# KiCad board V1.1_version_control.kicad_pcb (continued)
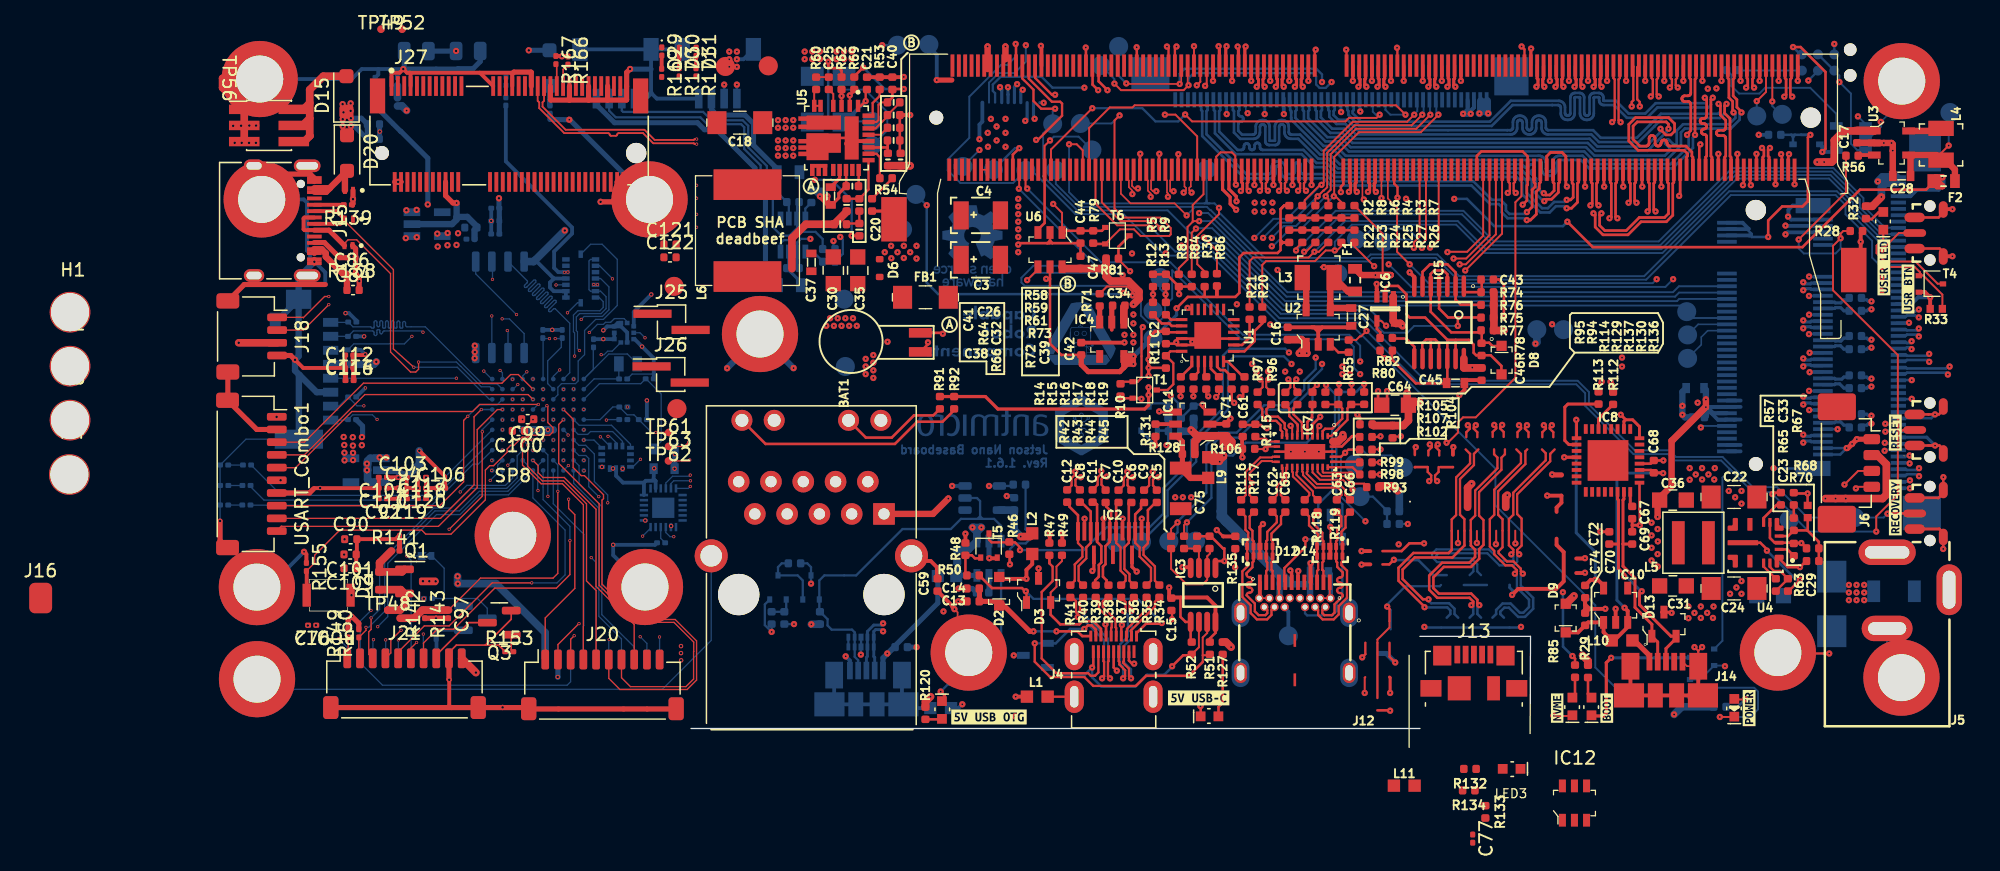
[diagram p0: board, top side]
## Routing (per net, layer and track width the routed paths; a pad name or vN(x,y) marks a point on that pad's centre or on a via; arc(x,y) is an arc through that point) (continued)
Net-(IC3-SDAA): length 2.6
  Top w0.15: 39.96,14.13 39.96,15.52 39.81,15.67 38.79,15.67
Net-(IC4-EN): length 1.3
  Top w0.406: R71.1 32.15,33.49
Net-(IC5-1B): length 8.6
  Top w0.2: IC5.6 57.55,37.45 58.14,38.04 59.51,38.04 60.15,37.4 IC5.2 60.15,35.27 60.56,34.85 62.2,34.85
Net-(IC5-3A): length 5.5
  Top w0.2: IC5.11 58.85,31.82 58.54,32.12 58.19,32.12 ; IC5.9 57.53,30.64 57.53,31.82 57.83,32.12 58.19,32.12 ; IC5.10 58.2,32.11 58.19,32.12
Net-(IC5-~{3Y}): length 2.9
  Top w0.2: IC5.8 56.9,31.56 56.26,32.2 55.16,32.2
Net-(IC7-CURRENT_MODE): length 8.3
  Top w0.15: 55.27,24.47 55.82,24.47 v1(55.84,24.5) ; v1(49.43,25.3) 49.29,25.17 IC7.3
  In2.Cu w0.18: v1(55.84,24.5) 54.92,25.42 49.54,25.42 v1(49.43,25.3) 49.44,25.3
Net-(IC7-DIR): length 1.7
  Top w0.15: IC7.11 45.45,24.09 45.23,24.31 44.56,24.31 44.47,24.39
Net-(IC7-ENn_CC): length 2.5
  Top w0.2: 52.61,24.51 52.01,24.51 51.73,24.23 51.73,24.23 51.2,23.7 50.5,23.7 IC7.29
Net-(IC7-PORT): length 5.7
  Top w0.2: v1(52.43,26.19) 52.63,25.99 52.63,25.3 ; v1(49.5,26.04) 48.89,25.44 IC7.4
  In2.Cu w0.2: 52.36,26.12 v1(52.43,26.19) ; 52.34,26.11 49.56,26.11 v1(49.5,26.04)
Net-(IC7-VBUS_DET): length 2.7
  Top w0.2: IC7.5 48.49,25.63 48.86,25.99 48.86,26.97 48.89,27.01
Net-(IC8-3V3OUT): length 1.2
  Top w0.23: 73.89,20.12 73.89,19.13 C67.2
Net-(IC8-RXD): length 6.4
  Top w0.23: IC8.2 69.06,23.85 68.74,24.17 68.74,26.8 68.98,27.04 R113.1
Net-(IC8-TXD): length 2.4
  Top w0.23: IC8.30 71.39,25.86 R112.1
Net-(IC9-ILIM): length 1.4
  Bottom w0.4: R124.1 23.44,12.21 IC9.5
Net-(IC9-OUT): length 2.8
  Bottom w0.4: IC9.6 20.92,13.55 L7.1 20.94,13.57 R122.2
Net-(IC11-ILIM): length 1.6
  Top w0.3: R131.1 38.12,25.46
Net-(IC11-OUT): length 5.2
  Top w0.4: C75.2 38.66,22.13 R128.2 38.66,24.08 38.2,24.54
  Top w0.5: L9.1 39.29,21.22 38.61,21.91
Net-(IC11-~{EN}): length 5.9
  Top w0.18: v1(40.24,27) 40.24,26.78 40.58,26.44
  Bottom w0.18: v1(40.24,27) 39.63,27 R126.2 37.57,26.88 R123.2 37.46,26.88 37.24,27.1 36.29,27.1 T9.3
Net-(IC11-~{FAULT}): length 27.8
  Top w0.2: 40.1,2.4 40.1,3.08 40.08,3.11 v1(40.08,3.24) ; IC11.4 36.88,26.41 v1(36.83,26.46)
  In2.Cu w0.2: v1(36.83,26.46) 36.83,25.91 38.78,23.95 38.78,21.61 37.44,20.27 37.44,14.06 40.08,11.42 v1(40.08,3.24)
Net-(J4-+5V): length 10.9
  Top w0.2: J4.19 30.77,8.76 30.4,9.14 v1(28.75,9.14)
  Top w0.4: 22.69,11.5 22.69,12.51 ; v1(26.94,9.14) 26.64,9.14 24.29,11.5 C13.2
  Bottom w0.2: v1(28.75,9.14) v1(26.94,9.14)
Net-(J4-GND): length 16
  Top w0.15: 28.19,14.49 28.19,15.13
  Top w0.18: 28.19,14.49 28.45,14.24 28.45,13.1 27.59,12.24 27.59,7 28.74,5.85 31.24,5.85 31.44,5.65 31.79,5.65 32.05,5.9 J4.16
  Top w0.2: 28.19,14.49 R47.2
Net-(J7-LED): length 35.8
  Top w0.15: v1(67.84,2.5) 67.86,2.48 68.94,2.48
  In3_SIGNAL.Cu w0.15: v1(79.44,25.2) 71.34,25.2 69.74,23.6 69.74,13 70.19,12.55 70.19,10.75 68.04,8.6 68.04,2.7 v1(67.84,2.5)
  Bottom w0.15: v1(79.44,25.2) 79.56,25.31 J7.10
Net-(J7-SMB_CLK): length 4.4
  Bottom w0.125: J7.40 79.98,32.81 79.48,32.31 79.48,31.71 TP43.1
Net-(J7-SMB_DATA): length 3.4
  Bottom w0.125: TP42.1 79.23,33.31 J7.42
Net-(J10-Pad12): length 8.7
  Top w0.2: J10.12 13.76,24.4 15.79,24.4 17.54,26.15 19.07,26.15 R91.1
Net-(J10-Pad14): length 18.7
  Top w0.2: R92.2 20.7,26.55 19.79,25.65 17.79,25.65 16.04,23.9 5.87,23.9 J10.14
Net-(J11-SHIELD): length 13.4
  Bottom w0.3: J11.S J11.S J11.S J11.S 11.26,3.76 J11.S ; J11.S 16.59,3.51 J11.S ; J11.S 17.01,3.1 L8.2 ; J11.S 17.09,3.01
Net-(J12-SBU2): length 2.3
  Bottom w0.3: 46.69,10.99 46.99,10.69 TP47.1
Net-(J13-Shield): length 15.6
  Top w0.15: 54,8.24 54,8.49 54.95,9.44 54.95,9.94
  Top w0.18: v1(54.77,11.09) 54.95,10.91 54.95,9.94 ; 54,8.24 54,3.89
  Top w0.2: v1(55,2.89) 54.97,2.92 54,2.92
  Bottom w0.18: 59,12.79 58.91,12.7 56.21,12.7 54.77,11.26 v1(54.77,11.09) 55.04,10.81 55.04,9.3
Net-(J15-CC1): length 2.3
  Top w0.3: R139.2 -27.32,42.73 J15.A5
Net-(J15-CC2): length 3.1
  Top w0.4: R138.2 -27.65,38.57 -28.84,39.76 -29.63,39.76
Net-(LED1-A): length 1.3
  Top w0.2: LED1.1 19.71,2.21 R120.1
Net-(LED2-A): length 5
  Top w0.2: 41.5,2.4 41.5,3.19 41.83,3.52 41.83,7.26
Net-(M1B-CAM1_PWDN): length 9.3
  Top w0.15: v1(56.87,39.34) 56.87,39.77 57.32,40.22 M1.120
  Bottom w0.15: TP4.1 54.71,40 56.64,40 56.87,39.77 v1(56.87,39.34)
Net-(M1B-GPIO01): length 12.6
  Top w0.15: v1(57.5,39.34) 57.5,39.67 57.82,39.98 M1.118
  Bottom w0.15: v1(57.5,39.34) 57.5,39.74 56.39,40.86 53.59,40.86 52.53,39.79
Net-(M1C-UART0_TXD):
  vias: v1(3.01,54.79) v1(3.01,54.19) v1(3.01,53.59) v1(3.61,54.79) v1(3.61,53.59)
Net-(NVME1-A): length 1.7
  Top w0.2: R85.1 69.55,4.13 NVME1.1
Net-(PWR1-A): length 2.6
  Top w0.15: 82.07,3.77 82.92,3.77 v1(82.94,3.8)
  Bottom w0.2: v1(82.94,3.8) 82.34,3.2 81.43,3.2
Net-(PWR1-K): length 9.4
  Top w0.15: 82.07,2.37 82.05,2.4 v1(80.94,2.4)
  Top w0.25: 82.04,2.4 82.07,2.37
  Bottom w0.15: T3.3 83.64,4.7 83.94,4.4 83.94,3 83.34,2.4 v1(80.94,2.4)
Net-(Q2-B): length 2.2
  Bottom w0.1: R148.1 -17.95,9.18
  Bottom w0.125: -17.95,9.18 Q2.1
Net-(Q2-C): length 9.2
  Bottom w0.1: -19.42,11.73 -19.42,14.11 U23.1 ; -19.42,11.73 R151.2 ; -19.42,11.73 -16.8,11.73 -16.03,10.96 Q2.3
Net-(Q3-B): length 1.5
  Top w0.125: R153.2 -14.14,7.7 Q3.1
  Bottom w0.1: R152.1 -4.95,25.76
Net-(R2-Pad1): length 5.1
  Top w0.2: 52.19,41.7 47.06,41.7
Net-(R22-Pad1): length 5.1
  Top w0.2: 52.19,40.73 47.06,40.73
Net-(T1-D): length 5.4
  Top w0.18: U1.24 37.71,31.19 R11.2 37.94,30.26 37.94,28.6 37.49,28.15 T1.3
Net-(T4-D): length 8.3
  Top w0.15: 93.8,40.72 93.8,40.05 93.27,39.51 93.27,38.92 93.93,38.26 96.33,38.26 98.07,36.52 98.58,36.52
Net-(T5-G): length 2.9
  Top w0.15: R48.1 21.59,15.13
  Top w0.2: 21.59,15.13 22.1,15.13 22.33,14.89 22.77,14.89 ; R48.1 21.59,13.67 R50.2
Net-(T7-S): length 5.2
  Bottom w0.18: R103.1 7.14,14.5 6.84,14.2 T8.3 8.39,13.55 8.79,13.15 T7.2
Net-(T8-G): length 2
  Bottom w0.18: R109.1 R110.2 7.49,10.83 T8.1
Net-(TP1-CTS/TMS): length 5
  Bottom w0.15: 82.45,53.33 82.47,53.31 87.38,53.31 TP1.2
Net-(TP2-P): length 4.3
  Top w0.15: v1(85.06,50.87) 85.07,50.87 M1.9
  Bottom w0.15: 85.85,49.72 85.06,50.51 v1(85.06,50.87)
Net-(TP3-P): length 4.3
  Top w0.15: M1.11 84.57,51.62 v1(83.84,50.89)
  Bottom w0.15: TP3.1 v1(83.84,50.89)
Net-(TP33-P): length 9.7
  Top w0.15: L3.2 50.59,37.45 50.22,37.82 49.54,37.82
  Top w0.5: F1.1 51.68,35.91 L3.2 50.29,36.7 U2.4 50.44,34.6 C27.1
  Bottom w0.15: TP33.1 50.37,37.82 49.54,37.82
  vias: v1(49.79,37.82)
Net-(TP34-P): length 10.8
  Top w0.15: L4.2 98.34,46.8 v1(98.94,47.4)
  Top w0.5: C28.1 95.94,46.5 U3.4 97.94,46.65 L4.2 98.69,46.25 99.43,45.51 F2.2
  Bottom w0.15: TP34.1 98.94,49.9 v1(98.94,47.4)
Net-(U1-SC0): length 1.4
  Top w0.2: U1.2 39.9,29.55 R15.2
Net-(U1-SC1): length 1.5
  Top w0.2: R17.2 40.9,29.82 U1.4
Net-(U1-SC2): length 2
  Top w0.2: 43.44,29.18 42.23,30.39 U1.6
Net-(U1-SC3): length 2.9
  Top w0.2: U1.8 43.35,31.69 43.94,32.28 R21.2
Net-(U1-SCL): length 1.4
  Top w0.2: U1.19 37.75,33.69 R13.1
Net-(U1-SD0): length 1.6
  Top w0.2: R14.2 39.4,30.05 U1.1
Net-(U1-SD1): length 1.3
  Top w0.2: R16.2 40.4,29.32 U1.3
Net-(U1-SD2): length 1.9
  Top w0.2: U1.5 41.4,29.96 41.64,29.71 42,29.71 R18.2
Net-(U1-SD3): length 3.9
  Top w0.2: R20.2 44.94,33.4 44.34,32.8 44.34,32 43.54,31.19 U1.7
Net-(U1-SDA): length 2.6
  Top w0.2: U1.20 37.82,33.19 37.63,33.38 37.04,33.38 R12.1
Net-(U2-EN): length 1.7
  Top w0.2: R55.1 50.93,31.11 U2.3
Net-(U2-SW): length 2.7
  Top w0.5: U2.5 48.39,36.7 L3.1
Net-(U3-EN): length 1.3
  Top w0.3: 91.83,46.6 91.88,46.65 U3.3
Net-(U3-SW): length 2.6
  Top w0.5: U3.5 98.14,48.55 L4.1
Net-(U4-RBOOT): length 1.6
  Top w0.18: U4.13 84.38,14.24 R63.1
Net-(U5-VOUT): length 4.3
  Top w0.18: 13.97,46.25 13.97,43.93 C32.2 R64.2
Net-(U7-RH): length 1.5
  Bottom w0.18: U7.8 8.99,42.43 R89.2
Net-(U7-RXD): length 5.4
  Bottom w0.18: U7.4 7.04,39.7 7.29,39.95 7.94,39.95 8.59,40.6 9.79,40.6 10.36,40.03 R88.1
Net-(U7-TXD): length 1.7
  Bottom w0.18: U7.1 9.59,39.04 10.36,38.28 R87.1
Net-(U22A-PC14-OSC32_IN): length 8.2
  Bottom w0.1: C107.1 -7.69,31.51 -7.69,29.76 U22.A1 -6.47,30.98 -5,30.98 Y2.2
Net-(U22A-PC15-OSC32_OUT): length 4.3
  Bottom w0.1: Y2.1 -5.68,29.04 C108.1 -7.63,29.02 U22.B1
Net-(U22B-BOOT0): length 30.7
  Top w0.1: v4(-11.34,26.92) -11.27,26.85 -11.27,25.58 -10.86,25.18 -10.86,24.85 -11.12,24.59 -12.68,24.59 -12.83,24.43 -13.28,24.43 -13.93,23.78 -14.19,23.78 -14.46,23.51 -14.46,23.25 -15.53,22.18 -15.83,22.18 -16.18,21.84 -16.18,19.5 -18.88,16.8 -20.87,16.8 -21.18,17.11 -27.63,17.11 -29.61,15.14 -29.61,14.54 R155.2
  Top w0.3: R155.2 -30.23,13.86 BOOT2.2
  Bottom w0.1: U22.D5 -11.64,26.62 v4(-11.34,26.92)
Net-(U22B-PH0-OSC_IN): length 11.8
  Bottom w0.1: Y1.3 -2.35,24.1 -2.35,27.83 -3.55,29.03 C102.1 -3.95,28.64 -7.2,28.64 U22.C1
Net-(U26-REGOUT): length 1.4
  Bottom w0.1: C115.1 -2.38,16.46 U26.10
Net-(USER1-A): length 1.6
  Top w0.2: 92.43,41.65 92.48,41.6 92.89,41.6 93.41,42.12 93.8,42.12
unconnected-(D10-CH4-Pad5): length 0.8
  Bottom w0.18: 12.38,8.68 D10.5
unconnected-(M1E-DP0_AUX_N-Pad90): length 40.9
  Top w0.18: v1(64.88,43.67) 64.72,43.83 64.72,44.43 64.82,44.52 M1.90 ; 58.86,22.99 58.86,23.37 58.59,23.64 58.59,23.77 58.68,23.86 v1(58.75,23.86)
  In2.Cu w0.125: v1(64.88,43.67) 64.69,43.48 64.69,42.77 64.68,42.68 64.65,42.6 64.61,42.52 64.54,42.46 64.47,42.41 64.38,42.38 64.29,42.37 63.52,42.37 63.48,42.37 63.45,42.36 63.41,42.33 63.39,42.31 63.37,42.27 63.35,42.24 63.35,42.2 63.35,42.16 63.37,42.12 63.39,42.09 63.41,42.06 63.45,42.04 63.48,42.03 63.52,42.02 64.29,42.02 64.38,42.01 64.47,41.98 64.54,41.94 64.61,41.87 64.65,41.8 64.68,41.71 64.69,41.62 64.69,41.57 64.68,41.48 64.65,41.4 64.61,41.32 64.54,41.26 64.47,41.21 64.38,41.18 64.29,41.17 63.52,41.17 63.48,41.17 63.45,41.16 63.41,41.13 63.39,41.11 63.37,41.07 63.35,41.04 63.35,41 63.35,40.96 63.37,40.92 63.39,40.89 63.41,40.86 63.45,40.84 63.48,40.83 63.52,40.82 64.29,40.82 64.38,40.81 64.47,40.78 64.54,40.74 64.61,40.67 64.65,40.6 64.68,40.51 64.69,40.42 64.69,40.37 64.68,40.28 64.65,40.2 64.61,40.12 64.54,40.06 64.47,40.01 64.38,39.98 64.29,39.97 63.52,39.97 63.48,39.97 63.45,39.96 63.41,39.93 63.39,39.91 63.37,39.87 63.35,39.84 63.35,39.8 63.35,39.76 63.37,39.72 63.39,39.69 63.41,39.66 63.45,39.64 63.48,39.63 63.52,39.62 64.29,39.62 64.38,39.61 64.47,39.58 64.54,39.54 64.61,39.47 64.65,39.4 64.68,39.31 64.69,39.22 64.69,39.17 64.68,39.08 64.65,39 64.61,38.92 64.54,38.86 64.47,38.81 64.38,38.78 64.29,38.77 63.52,38.77 63.48,38.77 63.45,38.76 63.41,38.73 63.39,38.71 63.37,38.67 63.35,38.64 63.35,38.6 63.35,38.56 63.37,38.52 63.39,38.49 63.41,38.46 63.45,38.44 63.48,38.43 63.52,38.42 64.29,38.42 64.38,38.41 64.47,38.38 64.54,38.34 64.61,38.27 64.65,38.2 64.68,38.11 64.69,38.02 64.69,37.97 64.68,37.88 64.65,37.8 64.61,37.72 64.54,37.66 64.47,37.61 64.38,37.58 64.29,37.57 63.52,37.57 63.48,37.57 63.45,37.56 63.41,37.53 63.39,37.51 63.37,37.47 63.35,37.44 63.35,37.4 63.35,37.36 63.37,37.32 63.39,37.29 63.41,37.26 63.45,37.24 63.48,37.23 63.52,37.22 64.29,37.22 64.38,37.21 64.47,37.18 64.54,37.14 64.61,37.07 64.65,37 64.68,36.91 64.69,36.82 64.69,36.77 64.68,36.68 64.65,36.6 64.61,36.52 64.54,36.46 64.47,36.41 64.38,36.38 64.29,36.37 63.52,36.37 63.48,36.37 63.45,36.36 63.41,36.33 63.39,36.31 63.37,36.27 63.35,36.24 63.35,36.2 63.35,36.16 63.37,36.12 63.39,36.09 63.41,36.06 63.45,36.04 63.48,36.03 63.52,36.02 64.29,36.02 64.38,36.01 64.47,35.98 64.54,35.94 64.61,35.87 64.65,35.8 64.68,35.71 64.69,35.62 64.69,35.57 64.68,35.48 64.65,35.4 64.61,35.32 64.54,35.26 64.47,35.21 64.38,35.18 64.29,35.17 63.52,35.17 63.48,35.17 63.45,35.16 63.41,35.13 63.39,35.11 63.37,35.07 63.35,35.04 63.35,35 63.35,34.96 63.37,34.92 63.39,34.89 63.41,34.86 63.45,34.84 63.48,34.83 63.52,34.82 64.29,34.82 64.38,34.81 64.47,34.78 64.54,34.74 64.61,34.67 64.65,34.6 64.68,34.51 64.69,34.42 64.69,30.81 58.56,24.68 58.56,24.05 v1(58.75,23.86)
unconnected-(M1E-DP0_AUX_P-Pad92): length 40.9
  Top w0.18: M1.92 64.32,44.52 64.42,44.43 64.42,43.83 v1(64.26,43.67) ; 58.01,22.99 58.01,23.37 58.28,23.64 58.28,23.77 58.19,23.86 v1(58.12,23.86)
  In2.Cu w0.125: v1(58.12,23.86) 58.31,24.05 58.31,24.78 64.44,30.91 64.44,34.4 64.44,34.44 64.43,34.47 64.41,34.51 64.38,34.53 64.34,34.56 64.31,34.57 64.27,34.57 63.5,34.57 63.41,34.58 63.33,34.61 63.25,34.66 63.19,34.72 63.14,34.8 63.11,34.88 63.1,34.97 63.1,35.02 63.11,35.11 63.14,35.2 63.19,35.27 63.25,35.34 63.33,35.38 63.41,35.41 63.5,35.42 64.27,35.42 64.31,35.43 64.34,35.44 64.38,35.46 64.41,35.49 64.43,35.52 64.44,35.56 64.44,35.6 64.44,35.64 64.43,35.67 64.41,35.71 64.38,35.73 64.34,35.76 64.31,35.77 64.27,35.77 63.5,35.77 63.41,35.78 63.33,35.81 63.25,35.86 63.19,35.92 63.14,36 63.11,36.08 63.1,36.17 63.1,36.22 63.11,36.31 63.14,36.4 63.19,36.47 63.25,36.54 63.33,36.58 63.41,36.61 63.5,36.62 64.27,36.62 64.31,36.63 64.34,36.64 64.38,36.66 64.41,36.69 64.43,36.72 64.44,36.76 64.44,36.8 64.44,36.84 64.43,36.87 64.41,36.91 64.38,36.93 64.34,36.96 64.31,36.97 64.27,36.97 63.5,36.97 63.41,36.98 63.33,37.01 63.25,37.06 63.19,37.12 63.14,37.2 63.11,37.28 63.1,37.37 63.1,37.42 63.11,37.51 63.14,37.6 63.19,37.67 63.25,37.74 63.33,37.78 63.41,37.81 63.5,37.82 64.27,37.82 64.31,37.83 64.34,37.84 64.38,37.86 64.41,37.89 64.43,37.92 64.44,37.96 64.44,38 64.44,38.04 64.43,38.07 64.41,38.11 64.38,38.13 64.34,38.16 64.31,38.17 64.27,38.17 63.5,38.17 63.41,38.18 63.33,38.21 63.25,38.26 63.19,38.32 63.14,38.4 63.11,38.48 63.1,38.57 63.1,38.62 63.11,38.71 63.14,38.8 63.19,38.87 63.25,38.94 63.33,38.98 63.41,39.01 63.5,39.02 64.27,39.02 64.31,39.03 64.34,39.04 64.38,39.06 64.41,39.09 64.43,39.12 64.44,39.16 64.44,39.2 64.44,39.24 64.43,39.27 64.41,39.31 64.38,39.33 64.34,39.36 64.31,39.37 64.27,39.37 63.5,39.37 63.41,39.38 63.33,39.41 63.25,39.46 63.19,39.52 63.14,39.6 63.11,39.68 63.1,39.77 63.1,39.82 63.11,39.91 63.14,40 63.19,40.07 63.25,40.14 63.33,40.18 63.41,40.21 63.5,40.22 64.27,40.22 64.31,40.23 64.34,40.24 64.38,40.26 64.41,40.29 64.43,40.32 64.44,40.36 64.44,40.4 64.44,40.44 64.43,40.47 64.41,40.51 64.38,40.53 64.34,40.56 64.31,40.57 64.27,40.57 63.5,40.57 63.41,40.58 63.33,40.61 63.25,40.66 63.19,40.72 63.14,40.8 63.11,40.88 63.1,40.97 63.1,41.02 63.11,41.11 63.14,41.2 63.19,41.27 63.25,41.34 63.33,41.38 63.41,41.41 63.5,41.42 64.27,41.42 64.31,41.43 64.34,41.44 64.38,41.46 64.41,41.49 64.43,41.52 64.44,41.56 64.44,41.6 64.44,41.64 64.43,41.67 64.41,41.71 64.38,41.73 64.34,41.76 64.31,41.77 64.27,41.77 63.5,41.77 63.41,41.78 63.33,41.81 63.25,41.86 63.19,41.92 63.14,42 63.11,42.08 63.1,42.17 63.1,42.22 63.11,42.31 63.14,42.4 63.19,42.47 63.25,42.54 63.33,42.58 63.41,42.61 63.5,42.62 64.27,42.62 64.31,42.63 64.34,42.64 64.38,42.66 64.41,42.69 64.43,42.72 64.44,42.76 64.44,42.8 64.44,43.48 v1(64.26,43.67)
unconnected-(M1E-DP0_HPD-Pad88): length 48.2
  Top w0.15: v1(59.44,24) 59.54,24 60.34,24.8 60.34,25.6 60.74,25.99 61.74,25.99 64.85,29.11 64.85,42.93 65.33,43.41 65.33,45.48 M1.88 ; v1(53,4.29) 53,5.49 53.05,5.54
  In2.Cu w0.15: v1(53,4.29) 54.04,5.33 54.04,17.4 56.59,19.95 56.59,20.79 59.44,23.64 v1(59.44,24)
unconnected-(M1E-DP0_TXD0_N-Pad39): length 40.9
  Top w0.18: 61.86,24.43 61.86,24.82 61.58,25.1 61.58,25.21 v1(61.74,25.37) ; M1.39 77.57,52.7 77.47,52.61 77.47,52.12 v1(77.63,51.96)
  In2.Cu w0.125: v1(77.63,51.96) 77.63,51.96 77.19,51.53 76.8,51.53 76.58,51.75 72.6,51.75 72.12,51.27 69.44,51.27 66.51,48.34 66.51,40.71 65.67,39.87 65.67,29.99 61.55,25.87 61.55,25.56 v1(61.74,25.37)
unconnected-(M1E-DP0_TXD0_P-Pad41): length 40.9
  Top w0.18: 60.99,24.43 60.99,24.82 61.27,25.1 61.27,25.21 v1(61.11,25.37) ; v1(77.01,51.96) 77.17,52.12 77.17,52.61 77.07,52.7 77.07,53.69
  In2.Cu w0.125: v1(61.11,25.37) 61.3,25.56 61.3,25.97 65.42,30.09 65.42,39.97 66.26,40.82 66.26,48.47 69.32,51.52 72.01,51.52 72.49,52 75.45,52 75.49,52 75.53,52.02 75.57,52.04 75.6,52.07 75.63,52.11 75.64,52.15 75.65,52.2 75.65,52.2 75.65,52.25 75.66,52.29 75.69,52.33 75.72,52.36 75.76,52.38 75.8,52.4 75.85,52.4 75.89,52.4 75.93,52.38 75.97,52.36 76,52.33 76.03,52.29 76.04,52.25 76.05,52.2 76.05,52.2 76.05,52.15 76.06,52.11 76.09,52.07 76.12,52.04 76.16,52.02 76.2,52 76.25,52 76.97,52 v1(77.01,51.96)
unconnected-(M1E-DP0_TXD1_N-Pad45): length 40.9
  Top w0.18: v1(63.81,25.39) 63.65,25.23 63.65,25.12 63.93,24.84 63.93,24.45 ; 76.07,53.69 76.07,52.7 75.97,52.61 75.97,51.42 v1(76.13,51.26)
  In2.Cu w0.125: v1(76.13,51.26) 75.69,50.82 75.32,50.82 75.14,51.01 72.96,51.01 72.51,50.57 69.6,50.57 67.82,48.78 67.82,47.25 67.81,47.17 67.78,47.09 67.74,47.03 67.68,46.97 67.62,46.93 67.54,46.9 67.47,46.89 67.32,46.89 67.29,46.89 67.26,46.88 67.24,46.87 67.22,46.85 67.21,46.82 67.2,46.8 67.19,46.77 67.19,46.72 67.2,46.69 67.21,46.66 67.22,46.64 67.24,46.62 67.26,46.61 67.29,46.6 67.32,46.59 67.47,46.59 67.54,46.59 67.62,46.56 67.68,46.52 67.74,46.46 67.78,46.4 67.81,46.32 67.82,46.24 67.82,46.15 67.81,46.07 67.78,45.99 67.74,45.93 67.68,45.87 67.62,45.83 67.54,45.8 67.47,45.79 67.32,45.79 67.29,45.79 67.26,45.78 67.24,45.77 67.22,45.75 67.21,45.72 67.2,45.7 67.19,45.67 67.19,45.62 67.2,45.59 67.21,45.56 67.22,45.54 67.24,45.52 67.26,45.51 67.29,45.5 67.32,45.49 67.47,45.49 67.54,45.49 67.62,45.46 67.68,45.42 67.74,45.36 67.78,45.3 67.81,45.22 67.82,45.14 67.82,45.05 67.81,44.97 67.78,44.89 67.74,44.83 67.68,44.77 67.62,44.73 67.54,44.7 67.47,44.69 67.32,44.69 67.29,44.69 67.26,44.68 67.24,44.67 67.22,44.65 67.21,44.62 67.2,44.6 67.19,44.57 67.19,44.52 67.2,44.49 67.21,44.46 67.22,44.44 67.24,44.42 67.26,44.41 67.29,44.4 67.32,44.39 67.47,44.39 67.54,44.39 67.62,44.36 67.68,44.32 67.74,44.26 67.78,44.2 67.81,44.12 67.82,44.04 67.82,40.69 67.17,40.04 67.17,29.64 63.62,26.1 63.62,25.58 v1(63.81,25.39)
unconnected-(M1E-DP0_TXD1_P-Pad47): length 40.9
  Top w0.18: 63.07,24.45 63.07,24.84 63.35,25.12 63.35,25.23 v1(63.19,25.39) ; 75.57,53.69 75.57,52.7 75.67,52.61 75.67,51.42 v1(75.51,51.26)
  In2.Cu w0.125: v1(63.19,25.39) 63.37,25.58 63.37,26.2 66.92,29.75 66.92,40.14 67.57,40.79 67.57,44.02 67.56,44.05 67.55,44.07 67.54,44.1 67.52,44.12 67.5,44.13 67.47,44.14 67.44,44.14 67.3,44.14 67.22,44.15 67.14,44.18 67.08,44.22 67.02,44.28 66.98,44.34 66.95,44.42 66.94,44.5 66.94,44.59 66.95,44.67 66.98,44.75 67.02,44.81 67.08,44.87 67.14,44.91 67.22,44.94 67.3,44.94 67.44,44.94 67.47,44.95 67.5,44.96 67.52,44.97 67.54,44.99 67.55,45.01 67.56,45.04 67.57,45.07 67.57,45.12 67.56,45.15 67.55,45.17 67.54,45.2 67.52,45.22 67.5,45.23 67.47,45.24 67.44,45.24 67.3,45.24 67.22,45.25 67.14,45.28 67.08,45.32 67.02,45.38 66.98,45.44 66.95,45.52 66.94,45.6 66.94,45.69 66.95,45.77 66.98,45.85 67.02,45.91 67.08,45.97 67.14,46.01 67.22,46.04 67.3,46.04 67.44,46.04 67.47,46.05 67.5,46.06 67.52,46.07 67.54,46.09 67.55,46.11 67.56,46.14 67.57,46.17 67.57,46.22 67.56,46.25 67.55,46.27 67.54,46.3 67.52,46.32 67.5,46.33 67.47,46.34 67.44,46.34 67.3,46.34 67.22,46.35 67.14,46.38 67.08,46.42 67.02,46.48 66.98,46.54 66.95,46.62 66.94,46.7 66.94,46.79 66.95,46.87 66.98,46.95 67.02,47.01 67.08,47.07 67.14,47.11 67.22,47.14 67.3,47.14 67.44,47.14 67.47,47.15 67.5,47.16 67.52,47.17 67.54,47.19 67.55,47.21 67.56,47.24 67.57,47.27 67.57,48.89 69.5,50.82 72.41,50.82 72.85,51.26 73.48,51.26 73.5,51.26 73.51,51.27 73.53,51.28 73.54,51.29 73.55,51.3 73.55,51.32 73.56,51.35 73.56,51.36 73.57,51.38 73.58,51.39 73.6,51.4 73.61,51.4 73.63,51.4 73.73,51.4 73.75,51.4 73.76,51.4 73.78,51.39 73.79,51.38 73.8,51.36 73.8,51.35 73.81,51.32 73.81,51.3 73.82,51.29 73.83,51.28 73.85,51.27 73.86,51.26 73.88,51.26 73.98,51.26 74,51.26 74.01,51.27 74.03,51.28 74.04,51.29 74.05,51.3 74.05,51.32 74.06,51.35 74.06,51.36 74.07,51.38 74.08,51.39 74.1,51.4 74.11,51.4 74.13,51.4 74.23,51.4 74.25,51.4 74.26,51.4 74.28,51.39 74.29,51.38 74.3,51.36 74.3,51.35 74.31,51.32 74.31,51.3 74.32,51.29 74.33,51.28 74.35,51.27 74.36,51.26 74.38,51.26 74.48,51.26 74.5,51.26 74.51,51.27 74.53,51.28 74.54,51.29 74.55,51.3 74.55,51.32 74.56,51.35 74.56,51.36 74.57,51.38 74.58,51.39 74.6,51.4 74.61,51.4 74.63,51.4 74.73,51.4 74.75,51.4 74.76,51.4 74.78,51.39 74.79,51.38 74.8,51.36 74.8,51.35 74.81,51.32 74.81,51.3 74.82,51.29 74.83,51.28 74.85,51.27 74.86,51.26 74.88,51.26 v1(75.51,51.26)